# KiCad board jetson-nano-baseboard.kicad_pcb (continued)
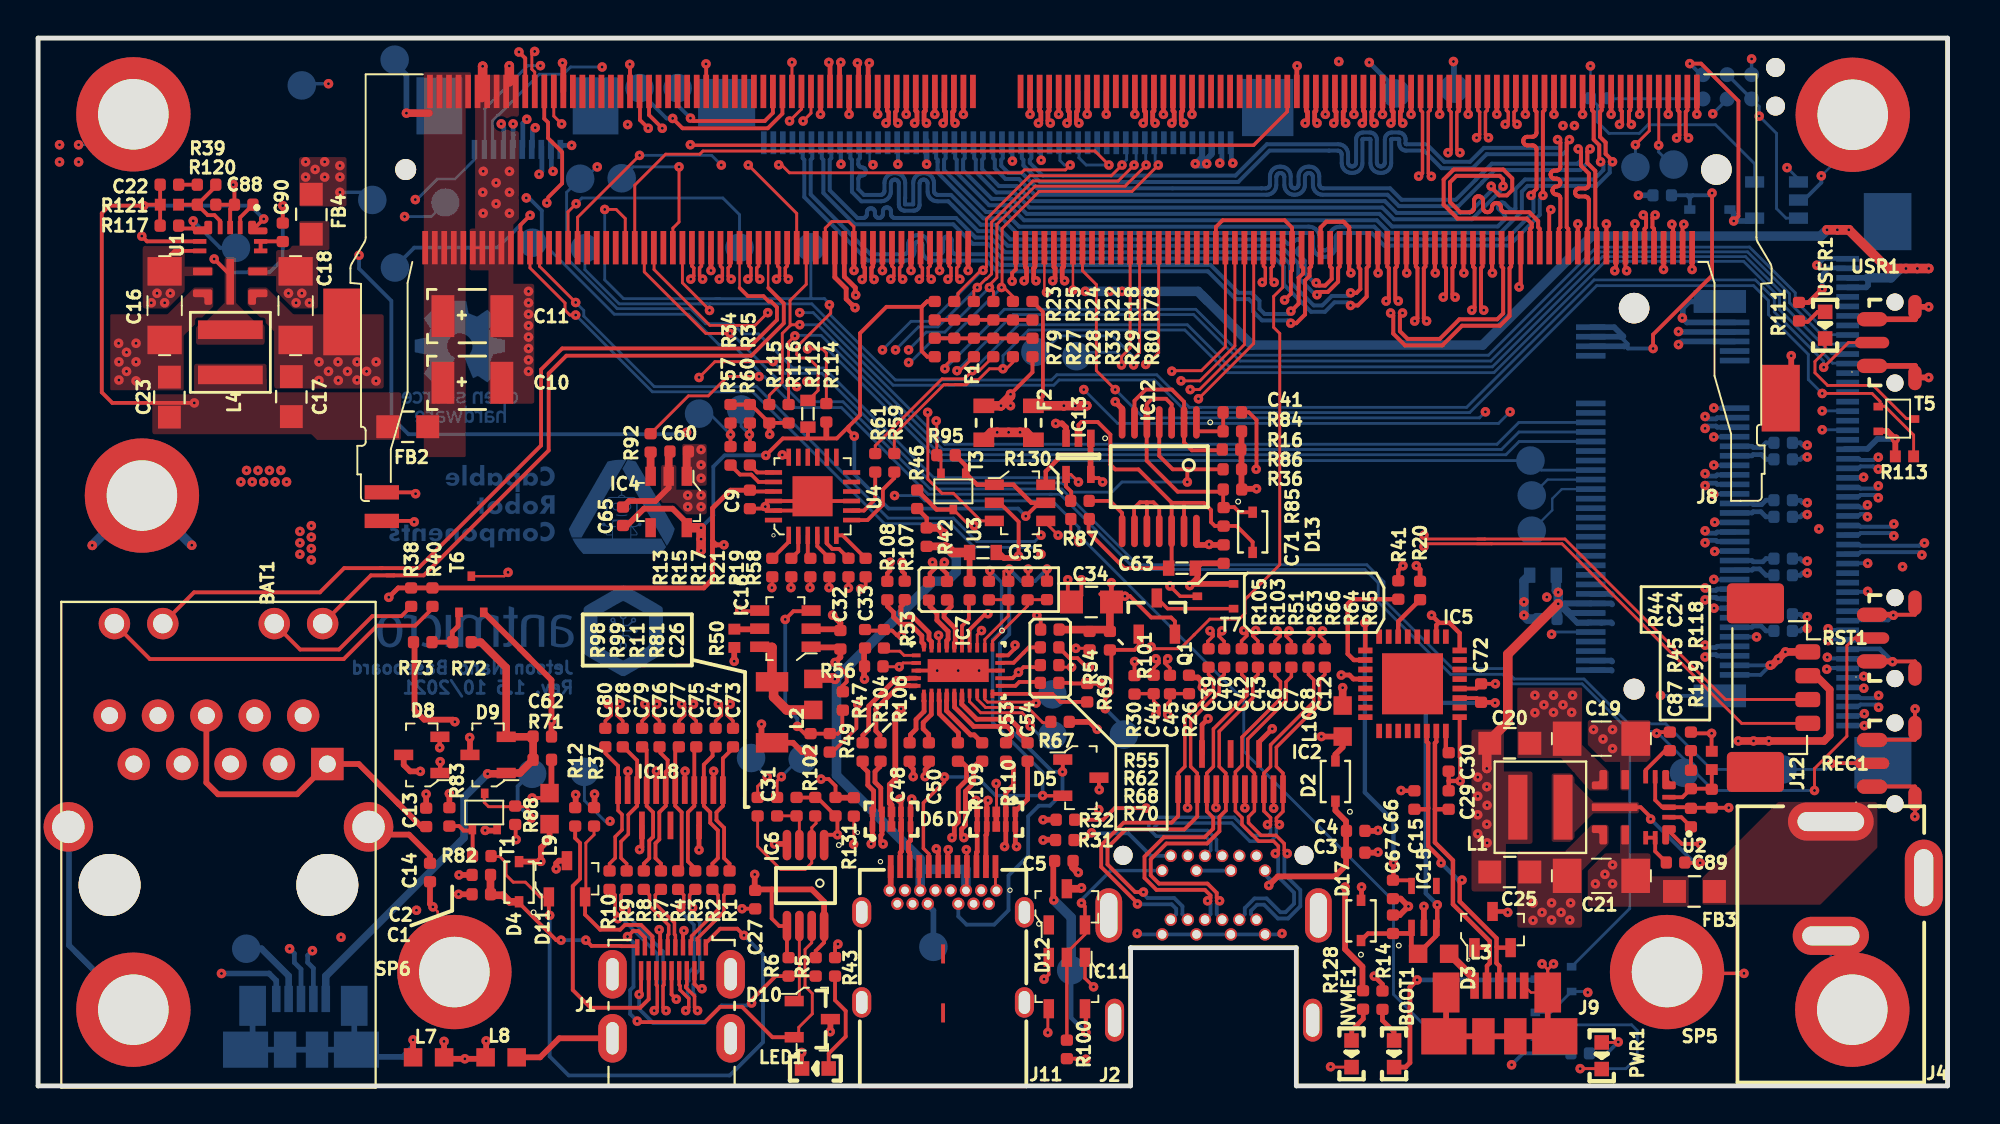
[diagram p0: board, top side]
## Routing (per net, layer and track width the routed paths; a pad name or vN(x,y) marks a point on that pad's centre or on a via; arc(x,y) is an arc through that point) (continued)
/Supply/3V3_EN: length 2
  Top w0.2: U2.7 84.38,16.58 85.4,17.6 R44.1
/Supply/3V3_FB: length 3.5
  Top w0.2: U2.4 86.31,15.15 R45.2 87.82,15.6 R119.1 R118.2
/Supply/3V3_R_C_BOOT: length 2
  Top w0.2: C89.2 84.88,12.31 U2.14 U2.13
/Supply/3V3_SW: length 6.6
  Top w0.2: U2.10 84.12,14.63 84.64,14.11 v1(84.64,14.01) ; C89.1 86.46,11.71 v1(87.24,11.71)
  Bottom w0.2: v1(84.64,14.01) 86.94,11.71 v1(87.24,11.71)
/Supply/3V3_VCC: length 1.4
  Top w0.2: U2.2 86.25,14.1 C87.1
/Supply/3V3_VIN:
  vias: v1(81.64,18.71) v1(81.74,10.61) v1(82.14,18.21) v1(82.24,11.11) v1(82.64,18.71) v1(82.64,17.71) v1(82.64,11.61) v1(82.64,10.61)
/Supply/5V_FB: length 4.3
  Top w0.2: U1.4 9.56,45.41 9.26,45.71 8.91,45.71 R121.1 ; R121.1 R120.2 ; R121.1 9.33,47.23 R39.2
/Supply/5V_R_C_BOOT: length 1.7
  Top w0.2: C90.2 12.83,44.33 U1.14 U1.13
/Supply/5V_SW: length 9.4
  Top w0.2: v1(12.84,46.21) C90.1 ; U1.10 10.08,42.57 v1(9.24,43.41)
  Bottom w0.2: v1(12.84,46.21) 12.84,43.41 12.14,42.71 9.94,42.71 v1(9.24,43.41)
/Supply/5V_VCC: length 1.5
  Top w0.2: C88.1 10.61,45.59 10.61,45.06
/Supply/5V_VIN: length 2.6
  Top w0.2: C16.1 6.64,43.31 7.17,43.83 U1.7
  vias: v1(5.94,41.11) v1(6.24,41.61) v1(6.64,41.11) v1(6.94,41.61) v1(13.14,41.61) v1(13.54,41.11) v1(13.84,41.61) v1(14.24,41.11)
GND: length 412.1
  Top w0.125: v1(20.72,9.4) 20.97,9.15 20.97,7.2 22.2,5.98 ; J9.S 78.36,4.9 J9.5 ; M1.250 M1.248 ; v1(52.93,41.66) 52.82,41.77 M1.138 ; 54.32,41.77 M1.132
  Top w0.15: IC2.8 63.34,14.59 v1(63.34,14.59) ; IC2.2 60.34,14.61 v1(60.34,14.6) ; v1(61.82,14.61) 61.82,15.56 ; D7.3 50.31,14.4 50.31,15.63 ; J11.A12 50.25,10.31 J11.B1 ; IC2.11 64.84,14.58 v1(64.85,14.57) ; v1(78.94,6.41) 79.24,6.11 J9.S 79.24,6.1 v1(79.54,6.41)
  Top w0.152: M1.176 41.32,45.03 41.66,45.37 42.55,45.37 42.82,45.09 42.82,44.7
  Top w0.18: SP5.1 85.57,5.91 v1(89.54,5.91) ; U4.18 39.18,33 v1(39.06,33.12) ; v1(52.8,5.6) 53.05,5.85 IC11.3 ; IC11.1 54.95,5.65 v1(55.4,5.2)
  Top w0.2: 44.32,42.8 44.32,42.8 44.32,44 ; v1(98.52,19.79) 98.52,19.79 REC1.SH1 98.52,18.17 96.27,18.17 96.27,18.26 ; 97.32,22.28 98.52,22.28 RST1.SH2 ; 97.35,24.73 98.52,24.73 RST1.SH1 ; M1.102 61.82,44 61.82,45.09 62.18,45.44 65.43,45.44 65.82,45.05 65.82,42.81 65.76,42.75 65.76,41.58 v1(65.43,41.25) ; v1(51.13,42.24) 51.13,42.67 51.32,42.86 M1.144 ; M1.32 79.32,46.02 79.4,46.1 ; 96.27,15.72 98.52,15.72 98.52,14.15 v1(98.51,14.14) ; v1(41.09,16.1) 41.5,16.1 41.86,15.75 41.86,15.14 ; v1(57.55,22.28) 57.55,22.27 57.55,21.53 ; 38.2,30.45 38.2,30.58 ; 38.2,30.45 38.05,30.3 37.36,30.3 ; 38.2,30.45 38.2,30.46 ; 39.06,33.11 v1(39.06,33.12) ; v1(55.7,15.54) 55.68,15.56 D5.3 ; 63.95,32.37 63.95,34.95 63.55,35.36 63.16,35.36 ; IC18.2 35.44,16.5 v1(35.46,16.52) ; IC18.5 33.94,16.5 v1(33.96,16.52) ; IC18.8 32.44,16.5 v1(32.46,16.52) ; v1(30.96,16.52) 30.94,16.5 IC18.11 ; 31.07,52.2 31.07,53.62 ; IC7.13 IC7.28 ; 35.07,52.2 35.07,53.64 v1(35.06,53.64) ; 54.99,22.02 54.56,22.45 54.14,22.45 53.57,23.02 ; v1(54.05,26.57) 54.05,25.77 54.42,25.4 54.76,25.74 v1(54.76,26.57) ; 60.86,27.18 61.11,27.43 ; C88.2 10.31,47.24 v1(10.24,47.31) ; C88.2 10.08,46.03 U1.3 ; C88.2 R121.2 ; U1.6 5.72,44.33 v1(5.44,44.61) ; v1(76.49,21.11) C72.1 75.49,20.86 IC5.20 ; v1(88.74,14.61) 88.74,14.6 R119.2 86.79,14.6 C87.2 86.7,14.63 U2.3 85.26,14.63 84.88,15 U2.6 ; U4.9 40.9,30.7 U4.25 ; U3.2 50.54,30.61 50.54,30.54 51.47,29.62 v1(51.47,27.81) ; v1(55,1.4) 54.97,1.43 R100.1 ; U4.25 39.9,30.2 U4.23 ; U4.25 40.4,30.7 U4.22 ; C27.1 37.63,9.3 v1(36.95,9.3) ; BAT1.- 19.69,29.66 v1(19.74,29.61) ; IC5.17 74.62,17.25 74.64,17.23 v1(74.64,16.01)
  Top w0.22: 70.32,42.69 70.32,44 ; 73.32,42.69 73.32,44 ; 74.82,42.69 74.82,44 ; 76.32,42.69 M1.44 ; v1(71.84,42.67) 71.82,42.69 M1.62 ; 77.82,44 77.82,42.02 v1(77.74,41.94) ; M1.26 80.82,45.24 v1(80.82,45.25) ; M1.20 82.32,45.24 ; M1.14 83.82,45.24 ; M1.8 85.32,42.86 v1(85.32,42.86) ; v1(86.82,42.86) 86.82,42.86 M1.2 ; v1(68.91,42.67) 68.82,42.76 68.82,45.07 68.53,45.36 67.62,45.36 67.32,45.06 M1.80
  Top w0.23: 73.51,24.31 74.08,24.31 74.62,23.77 IC5.24 ; 73.51,24.31 73.51,24.34 v1(73.14,24.71) ; 73.51,24.31 73.39,24.19 IC5.26 ; D3.3 77.09,9.16 v1(77.14,9.11) ; 74.04,16.01 C29.1 ; 74.04,16.01 v1(74.64,16.01) ; 74.04,16.01 C30.1 ; C15.1 71.56,15.49 v1(71.54,15.51) ; IC13.3 53.96,33.92
  Top w0.25: v1(66.09,53.54) 66.07,53.52 66.07,52.2 ; v1(45.82,42.8) 45.82,44 ; 47.32,42.8 47.32,44 ; 48.82,42.8 48.82,44 ; 60.57,51 60.57,52.2 ; 59.07,51 59.07,52.2 ; 57.57,51 57.57,52.2 ; 56.07,51 M1.125 ; 55.07,51 M1.129 ; 53.57,51 M1.135 ; 52.07,51 M1.141 ; 45.57,51 45.57,52.2 ; 47.07,51 M1.153 ; 48.57,51 48.57,52.2 ; 41.07,51 41.07,52.2 ; 42.57,51 42.57,52.2 ; 44.07,51 44.07,52.2 ; 35.32,42.8 M1.200 ; 87.07,51 M1.1 ; 85.57,51 M1.7 ; 84.07,51 M1.13 ; 82.57,51 M1.19 ; 81.07,51 M1.25 ; 79.57,51 79.57,52.2 ; 78.07,51 78.07,52.2 ; 76.57,51 76.57,52.2 ; 75.07,51 75.07,52.2 ; 73.57,51 73.57,52.2 ; 72.07,51 72.07,52.2 ; 70.57,51 70.57,52.2 ; 67.57,51 67.57,52.2 ; 69.07,51 69.07,52.2 ; 42.82,42.8 42.82,44 ; IC5.4 69.04,21.36 68.83,21.57 v1(68.4,21.57)
  Top w0.3: v1(20.06,16.51) 19.53,16.51 19.19,16.85 D8.3 ; v1(70.33,12.27) 70.3,12.24 69.64,12.24 ; v1(70.33,13.41) 70.3,13.39 69.64,13.39 ; 19.71,23.29 19.76,23.34 19.76,19.73 20.26,19.22 21.78,19.22 21.88,19.13 v1(21.88,19.12) ; D11.3 27.33,11.82 27.2,11.68 v1(27.2,11.39) ; 42.11,23.97 42.14,23.97 42.14,23.85 ; 42.11,23.97 40.32,23.97 ; 42.11,23.97 42.11,24.31 v1(41.7,24.71) ; 42.11,23.97 42.11,23.9 ; v1(29.21,15.32) 29.21,14.63 29.18,14.6 ; 20.37,14.58 v1(20.37,15.32) ; 21.59,14.6 v1(21.59,15.34) ; v1(23.47,13.41) 23.48,13.4 24.07,13.4 ; v1(22.65,18.29) 22.67,18.27 D9.3 ; 26.94,18.34 26.94,19.15 v1(26.95,19.15) 26.95,21.3 25.29,22.96 ; v1(52.75,13.97) 53.44,13.97 ; v1(52.75,12.9) 52.77,12.92 53.44,12.92 ; 91.47,36.1 92.02,36.65 v1(92.02,38.33) ; IC13.3 53.96,34.56 53.74,34.77 v1(53.41,34.77) ; v1(56.54,35.92) 56.9,35.55 IC12.7 56.89,34.83 ; R113.2 v1(97.48,33.96) 97.07,34.38 96.68,34.38 ; v1(99.23,37.19) 98.53,37.19 USR1.SH2 98.52,37.79 USR1.1 ; USR1.3 98.52,40.24 USR1.SH1 98.54,40.89 v1(99.23,40.89) ; 60.86,27.18 60.86,27.18 60.86,26.67 v1(60.45,26.26) 60.54,26.35 T7.2 ; v1(45.29,19.8) 44.99,19.5 44.99,16.1 44.71,15.81 44.71,14.84 44.79,14.75 D6.8 D6.3 ; 43.43,22.94 43.36,22.86 43.36,21.29 ; RST1.1 97.32,22.28 ; RST1.3 97.35,24.73 ; v1(36.54,22.29) 36.54,22.79 ; v1(37.97,18.99) 37.97,18.01 C31.1 39.62,18.01 40.11,17.53 40.54,17.53 ; J11.A1 44.75,10.16 44.69,10.1 ; D7.8 D7.3 ; 27.57,52.2 27.57,53.66 v1(27.53,53.7) ; v1(38.66,12.7) 39.25,12.7 IC6.4 ; D10.3 41.59,2.86 v1(41.58,2.84) ; v1(22.1,11.07) 22.78,11.07 ; v1(22.07,10.06) 22.78,10.06 ; v1(28.22,15.29) 28.22,14.63 28.19,14.6 ; 21.54,1.42 v1(22.4,1.42) 23.16,1.42 ; 21.59,1.22 L7.2 21.31,1.5 v1(21.31,2.34) ; 23.21,1.22 L8.1 23.52,1.53 v1(23.52,2.36) ; 61.11,27.43 62.23,27.43 ; 42.82,15.12 41.87,15.12 41.86,15.14 ; J9.S 79.24,2.97 J9.S J9.S J9.S J9.S 73.91,2.72 J9.S ; 50.41,28 50.7,27.71 51.46,27.71 ; 72.73,8.33 72.74,8.34 v1(72.74,9.42) ; 71.12,8.96 71.47,8.96 v1(71.93,9.42) 71.52,9.83 71.12,9.83 ; T6.2 25.29,22.96 ; 25.29,22.96 25.77,22.48 ; L7.1 19.68,2.41 v1(19.68,2.42) ; IC4.2 33.1,31.4 32.4,30.7 31.02,30.7 C65.2 ; v1(20.72,9.4) 20.57,9.55 C14.2
  Top w0.4: v1(54.77,10.4) 54.72,10.35 D12.3 ; 54.33,11.81 54.33,11.47 v1(54.6,11.2) ; v1(90.92,22.08) 91.01,22.08 v1(91.72,22.78) J12.1
  Top w0.406: IC4.2 33.1,33.24
  Top w0.5: 23.34,53.53 v1(23.33,53.52) 23.33,51.93 23.28,51.88 ; v1(24.73,53.54) 24.73,52.72 24.72,52.7
  In2_SINGAL.Cu w0.3: v1(19.86,9.22) 18.44,7.8 v1(15.9,7.8) 12.45,7.8 10.55,5.9 v1(9.63,5.9)
  In2_SINGAL.Cu w0.4: v1(55.67,14.5) 55.87,14.31 55.87,11.9 56.88,10.88 58.12,10.88 58.44,10.57 60.07,10.57 J2.8
  In4_GND.Cu w0.125: J2.21 57.15,8 v1(57.69,8)
  Bottom w0.125: v1(43.82,48.35) 43.65,48.53 43.65,49.45 ; v1(2.13,49.4) 2.48,49.4 4.08,51 SP3.1 ; SP2.1 94.1,5.13 J4.3 ; 93.6,49.33 SP1.1 95.25,49.42 v1(93.6,47.77)
  Bottom w0.15: SP1.1 95.25,48.59 ; v1(89.54,5.91) 89.44,5.91 89.37,5.98 ; v1(81.34,4.91) 81.29,4.96 T2.2 79.39,3.86 T4.2
  Bottom w0.18: TP30.5 v1(89.94,53.91) ; v1(15.24,52.61) 13.93,52.61 TP17.1
  Bottom w0.2: v1(85.16,20.5) 85.19,20.47 J8.SH1 ; v1(97.38,24.7) 97.11,24.44 94.84,24.44 ; v1(96.03,25.96) 96.01,25.94 94.84,25.94 ; v1(96.03,27.43) 96.03,27.44 94.84,27.44 ; J8.1 90.41,21.58 90.91,22.07 J8.3 ; v1(87.97,25.07) J8.15 ; 87.97,26.58 J8.21 ; v1(87.95,34.06) 87.96,34.08 J8.51 ; 87.97,35.58 J8.57 ; v1(87.96,32.59) 87.97,32.57 J8.45 ; 87.97,31.07 J8.39 ; v1(88,29.59) 88.02,29.57 J8.33 ; 87.95,28.06 87.97,28.07 J8.27 ; J8.9 90.17,23.57 ; J2.8 J2.14 ; 58.89,7.8 59.04,7.95 J2.7 J2.13 J2.19 65.24,7.95 v1(65.29,8) ; v1(57.69,8) 57.74,7.95 J2.1 ; v1(93.6,47.77) 93.6,47.41 92.69,46.5 IC17.2
  Bottom w0.22: 51.14,49.42 51.14,48.55 v1(51.14,48.54) ; 94.84,31.94 95.8,31.94 ; 52.64,48.55 52.64,49.42 ; 42.14,48.54 42.14,48.55 42.14,49.42 ; 45.14,49.42 45.14,48.52 45.13,48.52
  Bottom w0.25: v1(97.34,22.27) 96.67,22.94 94.84,22.94 ; 27.44,49.28 27.53,49.37 v1(28,49.37)
  Bottom w0.3: J5.S J5.S J5.S J5.S 11.26,2.27 J5.S ; J5.S 16.59,2.02 J5.S 16.6,4.2 ; J5.S 17.09,1.52 19.14,1.52 19.68,2.06 v1(19.68,2.42) ; J8.SH2 86.66,41.17 86.33,40.84 86.33,40.34 v1(86.31,40.31) 86.54,40.07 J8.75 ; v1(74.29,53.77) 74.32,53.75 74.32,52.38 ; v1(86.1,38.91) 86.27,39.07 J8.71 ; v1(86.1,39.6) 86.13,39.57 J8.73 ; v1(97.48,33.96) 96.54,33.96 96.02,33.44 94.84,33.44 ; J5.5 12.5,5.53 12.13,5.9 v1(9.63,5.9) ; v1(46.64,48.38) 46.64,48.39 46.64,49.62 ; C36.1 v1(84,46.75)
  Bottom w0.5: v1(8.07,28.38) 8.06,28.38 SP7.1 2.84,28.38 v1(2.84,28.37) ; C47.1 77.99,26.51 v1(77.99,25.41) v1(77.99,24.71) 78.19,24.51 78.76,24.51
  vias: v1(1.13,49.4) v1(1.13,48.5) v1(2.13,48.5) v1(4.22,38.98) v1(4.24,38.01) v1(4.24,37.05) v1(4.64,38.51) v1(4.64,37.51) v1(5.14,38.98) v1(5.14,38.01) v1(5.14,37.01) v1(14.74,38.01) v1(14.74,37.03) v1(15.24,37.51) v1(15.74,38.01) v1(15.76,37.03) v1(16.24,37.51) v1(16.74,38.01) v1(16.74,37.05) v1(17.24,37.51) v1(17.74,38.01) v1(17.74,37.01) v1(23.37,48.01) v1(23.34,46.91) v1(23.36,45.81) v1(24.04,47.41) v1(24.04,46.31) v1(24.74,48.01) v1(24.74,46.91) v1(24.74,45.81) v1(25.74,41.71) v1(25.74,41.11) v1(25.74,40.51) v1(25.74,39.91) v1(25.74,39.31) v1(25.74,38.71) v1(25.74,38.11) v1(25.74,37.51) v1(31.06,53.62) v1(34.1,31) v1(34.1,30.4) v1(34.8,31) v1(34.8,30.4) v1(35.32,42.8) v1(38.17,30.41) v1(41.07,51) v1(42.14,48.38) v1(42.57,51) v1(42.83,42.8) v1(43.38,21.35) v1(44.07,51) v1(44.32,42.8) v1(45.13,48.38) v1(45.57,51) v1(47.07,51) v1(47.19,21.8) v1(47.32,42.8) v1(48.29,21.8) v1(48.57,51) v1(48.82,42.8) v1(49.39,21.8) v1(50.29,15.88) v1(52.07,51) v1(52.65,48.59) v1(53.57,51) v1(54.32,41.77) v1(55.07,51) v1(55.18,21.98) v1(56.07,51) v1(57.57,51) v1(59.07,51) v1(60.57,51) v1(63.94,32.37) v1(67.57,51) v1(69.07,51) v1(70.34,42.67) v1(70.57,51) v1(72.07,51) v1(73.34,42.67) v1(73.57,51) v1(74.84,42.67) v1(75.07,51) v1(76.34,42.67) v1(76.57,51) v1(78.07,51) v1(78.47,9.61) v1(78.47,8.69) v1(78.57,20.51) v1(78.57,19.59) v1(78.94,9.11) v1(79.04,20.01) v1(79.19,25.66) v1(79.4,46) v1(79.44,9.61) v1(79.44,8.71) v1(79.57,51) v1(79.54,20.51) v1(79.54,19.61) v1(79.94,9.11) v1(80.04,20.01) v1(80.44,9.6) v1(80.4,8.71) v1(80.54,20.5) v1(80.5,19.61) v1(81.07,51) v1(82.32,45.25) v1(82.57,51) v1(83.82,45.25) v1(84.07,51) v1(85.57,51) v1(87.07,51) v1(87.96,35.59) v1(87.95,31.06) v1(87.96,26.59) v1(88,28.06) v1(90.2,23.57) v1(91.34,22.41) v1(95.82,31.95)
VDD_MOD: length 4.1
  Top w0.3: v1(19.33,51.06) 19.38,51.1
  Top w0.4: v1(19.33,51.06) 20.52,51.06
  Bottom w0.3: v1(19.33,51.06) 19.33,53.06 18.75,53.64
VIN: length 1.9
  Bottom w0.18: v1(15.84,46.91) 17.14,46.91 TP16.1
  Bottom w0.6: 17.42,46.21 17.45,46.24
  vias: v1(10.64,31.71) v1(10.94,32.31) v1(11.24,31.71) v1(11.54,32.31) v1(11.84,31.71) v1(12.14,32.31) v1(12.44,31.71) v1(12.74,32.31) v1(13.04,31.71) v1(14.04,48.51) v1(14.04,47.71) v1(14.54,48.11) v1(15.04,48.51) v1(15.04,47.71) v1(15.84,48.31) v1(15.84,47.71)
#PWR_BUTTON: length 10.1
  Top w0.2: M1.240 25.32,45.19 v1(25.83,45.7)
  Top w0.3: 25.83,45.6 v1(25.83,45.7)
  Bottom w0.2: v1(25.83,45.7) 24.13,44 19.74,44 18.83,43.09
#RECOVERY: length 77.2
  Top w0.15: 36.19,39.5 35.05,39.5 31.82,42.73 M1.214
  Top w0.2: 96.27,16.94 94.16,16.94 v1(94.13,16.92)
  Bottom w0.15: 86.88,17.56 86.94,17.5 ; 86.94,17.5 85.44,19.01 83.5,19.01 81.15,21.36 77.47,21.36 77.47,21.37 76.94,21.91 74.24,21.91 70.64,25.51 70.64,26.46 69.75,27.36 57.71,27.36 53.73,31.33 46.83,31.33 42.25,35.91 39.98,35.91 36.4,39.5 v1(36.32,39.5) ; 86.94,17.5 87.83,16.61 TP39.1 93.82,16.61 v1(94.13,16.92)
#RESET: length 127.6
  Top w0.15: v1(37.84,37.24) 36.19,37.24 35.18,36.22 34.14,36.22 R92.2 ; RST1.2 95.34,23.51 94.94,23.11 94.94,18.36 93.24,16.66 v1(93.24,15.51)
  Top w0.2: M1.239 25.57,53.94 v1(25.24,54.27) ; v1(84.96,18.51) 85.02,18.57 R44.2
  In2_SINGAL.Cu w0.2: v1(25.24,54.27) 25.26,54.25 25.26,52.85 23.67,51.26 23.67,49.98 25.62,48.02 25.62,46.71
  Bottom w0.15: 26.79,43.96 30.24,40.51 34.14,40.51 35.74,38.91 36.44,38.91 37.74,37.61 ; 26.79,43.96 26.74,44.01 ; 26.79,43.96 26.49,44.26 TP29.1 26.39,44.26 ; 37.74,37.61 37.84,37.5 v1(37.84,37.24) 38.11,37.24 39.74,35.61 42.17,35.61 46.72,31.06 53.09,31.06 ; 37.74,37.61 37.24,38.11 ; 53.09,31.06 53.65,31.06 57.6,27.11 69.64,27.11 70.34,26.41 70.34,25.41 74.14,21.61 76.87,21.61 77.37,21.11 81.04,21.11 83.54,18.61 ; 53.09,31.06 53.23,31.06 ; 83.54,18.61 83.74,18.61 ; 83.54,18.61 83.54,18.51 ; 83.74,18.61 83.64,18.61 83.54,18.51 ; 83.74,18.61 84.86,18.61 v1(84.96,18.51) 85.04,18.51 86.39,17.16 TP37.1 87.01,16.44 87.94,15.51 v1(93.24,15.51) 93.18,15.44 ; T2.1 83.54,9.31 83.54,18.51
  Bottom w0.2: 25.94,44 26.44,44.49 26.44,45.94 25.77,46.61 v1(25.63,46.61)
#SHUTDOWN_REQ: length 69.2
  Top w0.15: v1(38.58,38.02) 38.57,38.02 35.52,38.02 v1(34.69,37.19) ; 27.07,52.2 27.07,50.91 v1(27.48,50.5)
  Top w0.2: 60.32,32.37 62.2,32.37 ; 60.32,32.37 59.55,32.37 58.85,33.07 IC12.4 ; 60.32,32.37 v1(60.32,31.7)
  In2_SINGAL.Cu w0.15: v1(19.24,45.63) 19.28,45.68 19.28,46.77 19.63,47.12 21.05,47.12 23.19,44.97 26.1,44.97 27.82,46.69 27.82,46.83 ; 27.38,50.47 27.38,49.04 27.82,48.6 27.82,47.03 ; 27.97,46.93 28.24,46.93 28.74,46.44 28.74,42.61 31.24,40.11 31.24,38.81 32.86,37.19 v1(34.69,37.19) ; 27.97,46.93 27.92,46.93 ; 27.97,46.93 27.82,46.93 ; 27.82,46.83 27.92,46.93 ; 27.82,46.83 27.82,46.93 ; 27.92,46.93 27.82,47.03 ; 27.82,46.93 27.82,47.03
  Bottom w0.15: v1(60.32,31.7) 56.89,31.7 56.36,31.17 54.25,31.17 53.77,31.65 46.9,31.65 41.14,37.41 39.2,37.41 v1(38.58,38.02) ; 27.48,50.4 v1(27.48,50.5) ; TP28.1 20.64,45.63 v1(19.24,45.63)
/CSI/CAM0_SCL: length 35.5
  Top w0.15: 49.12,41.17 49.12,41.73 v1(49.3,41.91) 49.3,41.91 49.75,42.36 49.79,42.36 50.05,42.62 50.05,45.34 52.22,47.5 56.7,47.5 57.53,48.33 v1(57.53,48.34) ; v1(39.52,26.15) 39.54,26.17 39.54,26.73
  In3_SIGNAL.Cu w0.15: v1(39.52,26.15) 39.52,27.03 40.48,28 40.48,34.11 v1(45.01,38.63)
  Bottom w0.15: v1(49.3,41.91) 47.23,39.84 46.21,39.84 v1(45.01,38.63) ; 57.58,49.67 57.63,49.62 ; 57.63,49.42 57.63,48.47 57.53,48.36
/CSI/CAM0_SDA: length 37.2
  Top w0.15: v1(56.89,48.34) 56.33,47.78 52.06,47.78 49.77,45.5 49.77,42.99 v1(49.6,42.81) 49.49,42.81 48.28,41.61 48.28,41.36 48.09,41.17 ; v1(38.52,26.15) 38.54,26.17 38.54,26.73
  In3_SIGNAL.Cu w0.15: v1(44.32,38.63) 44.32,38.43 40.18,34.29 40.18,28.31 38.52,26.64 v1(38.52,26.15)
  Bottom w0.15: v1(49.6,42.81) 49.56,42.81 46.88,40.13 45.82,40.13 v1(44.32,38.63) ; 56.89,48.36 56.89,48.38 57.14,48.62 57.14,49.62
/CSI/CAM1_SCL: length 36
  Top w0.15: 51.17,41.17 51.17,41.44 50.7,41.91 v1(50.57,41.91) 50.6,41.94 50.6,45.01 52.54,46.95 57.42,46.95 58.8,48.33 v1(58.8,48.34) ; 41.54,26.73 41.54,26.17 v1(41.52,26.15)
  In3_SIGNAL.Cu w0.15: v1(45.69,37.97) 45.36,37.64 44.9,37.64 41.75,34.5 41.75,26.39 v1(41.52,26.15)
  Bottom w0.15: v1(50.57,41.91) 50.57,41.91 47.95,39.29 47.09,39.29 45.78,37.97 v1(45.69,37.97) ; 58.63,49.62 58.63,48.48 58.78,48.33
/CSI/CAM1_SDA: length 35.6
  Top w0.15: 50.14,41.17 50.14,41.7 49.93,41.91 v1(49.93,41.91) 49.93,42.04 50.32,42.43 50.32,45.22 52.33,47.23 57.06,47.23 58.16,48.33 v1(58.16,48.34) ; v1(40.52,26.15) 40.54,26.17 40.54,26.73
  In3_SIGNAL.Cu w0.15: v1(40.52,26.15) 40.52,27.21 41.48,28.17 41.48,34.61 42.66,35.8 42.66,35.81 44.82,37.97 45.03,37.97 v1(45.69,38.63)
  Bottom w0.15: v1(49.93,41.91) 49.93,41.91 47.59,39.57 46.62,39.57 45.69,38.64 v1(45.69,38.63) ; 58.14,49.62 58.14,48.36 58.16,48.34
/CSI/CAM2_SCL: length 69.6
  Top w0.15: v1(47.6,37.64) 47.6,37.79 48.09,38.28
  Top w0.2: v1(43.18,26.09) 43.37,26.09 43.44,26.15 43.44,26.73 43.44,26.73
  In2_SINGAL.Cu w0.15: v1(43.18,26.09) 43.37,26.09
  In3_SIGNAL.Cu w0.15: v1(43.18,26.09) 43.18,32.11 45.59,34.52 45.59,36.19 47.04,37.64 v1(47.6,37.64)
  Bottom w0.15: 94.84,39.43 94.01,39.43 92.23,41.22 92.23,41.63 89.83,44.03 81.81,44.03 81.21,43.43 76.13,38.35 63.17,38.35 60.77,40.76 50.72,40.76 v1(47.6,37.64)
/CSI/CAM2_SDA: length 70.8
  Top w0.15: 49.12,38.28 48.38,37.54 v1(48.23,37.54)
  Top w0.2: v1(42.54,26.13) 42.54,26.73
  In3_SIGNAL.Cu w0.15: v1(48.23,37.54) 48.23,37.95 48.03,38.15 47.14,38.15 45.26,36.27 45.26,34.62 42.87,32.23 42.87,26.97 42.53,26.64 v1(42.53,26.13)
  Bottom w0.15: v1(48.23,37.54) 51.18,40.49 60.65,40.49 63.09,38.05 76.25,38.05 81.98,43.78 89.73,43.78 91.93,41.58 91.93,41.11 94.11,38.94 94.84,38.94
/CSI/CAM3_SCL: length 61.1
  Top w0.15: 50.14,38.28 49.4,37.54 v1(49.04,37.54) 48.62,37.12 47.45,37.12 43.94,33.61 R61.1
  Bottom w0.15: 94.84,38.43 94.15,38.43 91.68,40.9 91.68,41.47 89.62,43.53 82.12,43.53 76.33,37.74 62.53,37.74 60.32,39.95 51.46,39.95 v1(49.04,37.54)
/CSI/CAM3_SDA: length 61
  Top w0.15: 51.17,38.28 51.17,37.99 50.82,37.64 v1(50.64,37.64) 49.93,37.64 49.35,37.06 48.97,37.06 48.72,36.81 48.14,36.81 ; 47.74,36.81 47.54,36.81 44.94,34.21 R59.1 ; 47.74,36.81 47.64,36.81 ; 47.74,36.81 48.14,36.81 ; 48.54,36.81 48.14,36.81
  Bottom w0.15: v1(50.64,37.64) 50.64,38.33 51.99,39.67 60.2,39.67 62.43,37.44 76.42,37.44 82.26,43.28 89.52,43.28 91.41,41.39 91.41,40.74 94,38.15 94,38.13 94.19,37.94 94.84,37.94
/CSI/CAM_I2C_SCL: length 22.9
  Top w0.2: v1(32.76,50.27) 32.07,50.96 32.07,52.2 ; R60.2 37.36,34.16 v1(37.34,34.19) 37.36,34.21 R35.2
  In2_SINGAL.Cu w0.15: v1(37.34,34.19) 36.72,34.81 36.72,37.88 32.97,41.63 32.97,50.06 v1(32.76,50.27)
  Bottom w0.15: v1(37.34,34.19) 36.9,34.62 36.9,35.5
/CSI/CAM_I2C_SDA: length 23.4
  Top w0.2: 31.57,52.2 31.59,52.18 31.59,50.7 v1(32.03,50.27) ; R34.2 v1(36.34,34.19) R57.2
  In2_SINGAL.Cu w0.15: v1(32.03,50.27) 32.59,49.71 32.59,41.5 36.34,37.74 v1(36.34,34.19)
  Bottom w0.15: 34.69,35.5 35.03,35.5 v1(36.34,34.19)
/CSI/CSI_A_CLK_N: length 43.3
  Top w0.21: M1.10 84.82,44.99 84.74,45.07 84.74,45.57 v1(84.88,45.72)
  In3_SIGNAL.Cu w0.138: v1(84.88,45.72) 84.7,45.9 84.7,46.15 85.03,46.48 85.37,46.48 85.37,46.48 85.38,46.47 85.38,46.47 85.38,46.46 85.38,46.31 85.39,46.26 85.41,46.2 85.44,46.15 85.48,46.11 85.53,46.08 85.59,46.06 85.65,46.05 85.92,46.05 85.98,46.06 86.04,46.08 86.09,46.11 86.13,46.15 86.16,46.2 86.18,46.26 86.19,46.31 86.19,47.12 86.19,47.16 86.2,47.18 86.22,47.21 86.24,47.23 86.26,47.25 86.29,47.26 86.32,47.26 86.36,47.26 86.38,47.25 86.41,47.23 86.43,47.21 86.45,47.18 86.46,47.16 86.46,47.12 86.46,46.86 86.47,46.77 86.5,46.7 86.54,46.62 86.6,46.56 86.68,46.52 86.76,46.49 86.84,46.48 87.29,46.48 87.87,45.89 87.87,44.78 87.47,44.38 87.47,42.8 86.9,42.23 86.9,41.72 87.33,41.29 87.73,41.29 87.75,41.31 87.78,41.33 87.81,41.33 87.84,41.33 87.87,41.33 87.9,41.31 87.92,41.29 87.98,41.24 88,41.22 88.03,41.21 88.06,41.2 88.09,41.2 88.12,41.21 88.15,41.22 88.17,41.24 88.19,41.26 88.2,41.29 88.21,41.32 88.21,41.35 88.2,41.38 88.19,41.41 88.17,41.44 88.12,41.49 88.1,41.51 88.08,41.54 88.08,41.57 88.08,41.6 88.08,41.63 88.1,41.66 88.12,41.68 88.31,41.88 88.31,42.13 88.52,42.34 88.58,42.34 88.62,42.33 88.65,42.32 88.69,42.3 88.71,42.27 88.73,42.24 88.75,42.21 88.75,42.17 88.75,41.61 88.76,41.52 88.79,41.44 88.84,41.36 88.9,41.29 88.98,41.25 89.07,41.22 89.16,41.21 89.21,41.21 89.3,41.22 89.38,41.25 89.46,41.29 89.52,41.36 89.57,41.44 89.6,41.52 89.61,41.61 89.61,42.95 89.62,42.99 89.63,43.02 89.65,43.06 89.68,43.08 89.71,43.1 89.74,43.12 89.78,43.12 89.82,43.12 89.85,43.1 89.89,43.08 89.91,43.06 89.93,43.02 89.95,42.99 89.95,42.95 89.95,41.61 89.96,41.52 89.99,41.44 90.04,41.36 90.1,41.29 90.18,41.25 90.27,41.22 90.36,41.21 90.41,41.21 90.5,41.22 90.58,41.25 90.66,41.29 90.72,41.36 90.77,41.44 90.8,41.52 90.81,41.61 90.81,42.88 90.82,42.91 90.83,42.94 90.84,42.97 90.87,42.99 90.89,43.01 90.92,43.02 90.96,43.02 91.01,43.02 91.04,43.02 91.07,43.01 91.1,42.99 91.12,42.97 91.14,42.94 91.15,42.91 91.15,42.88 91.15,41.61 91.16,41.52 91.19,41.44 91.24,41.36 91.3,41.29 91.38,41.25 91.47,41.22 91.56,41.21 91.61,41.21 91.7,41.22 91.78,41.25 91.86,41.29 91.92,41.36 91.97,41.44 92,41.52 92.01,41.61 92.01,42.88 92.02,42.91 92.03,42.94 92.04,42.97 92.07,42.99 92.09,43.01 92.12,43.02 92.16,43.02 92.21,43.02 92.24,43.02 92.27,43.01 92.3,42.99 92.32,42.97 92.34,42.94 92.35,42.91 92.35,42.88 92.35,42.72 92.36,42.64 92.39,42.55 92.43,42.48 92.49,42.42 92.57,42.38 92.65,42.35 92.73,42.34 94.67,42.34 95.48,41.53 95.48,33.11 96.03,32.55 96.29,32.55 96.48,32.37
  Bottom w0.21: 94.84,32.44 95.57,32.44 95.66,32.52 96.33,32.52 96.48,32.37
  vias: v1(96.59,32.37)
/CSI/CSI_A_CLK_P: length 43.3
  Top w0.21: M1.12 84.32,44.99 84.4,45.07 84.4,45.57 v1(84.26,45.72)
  In3_SIGNAL.Cu w0.138: 96.48,33 96.29,32.82 96.14,32.82 95.74,33.22 95.74,41.63 94.77,42.6 92.76,42.6 92.72,42.6 92.69,42.61 92.67,42.63 92.64,42.65 92.63,42.68 92.62,42.71 92.61,42.74 92.61,42.9 92.6,42.98 92.58,43.07 92.53,43.14 92.47,43.2 92.4,43.24 92.32,43.27 92.23,43.28 92.13,43.28 92.05,43.27 91.97,43.24 91.89,43.2 91.83,43.14 91.79,43.07 91.76,42.98 91.75,42.9 91.75,41.64 91.75,41.6 91.73,41.56 91.71,41.53 91.69,41.51 91.65,41.49 91.62,41.47 91.58,41.47 91.54,41.47 91.51,41.49 91.48,41.51 91.45,41.53 91.43,41.56 91.42,41.6 91.41,41.64 91.41,42.9 91.4,42.98 91.38,43.07 91.33,43.14 91.27,43.2 91.2,43.24 91.12,43.27 91.03,43.28 90.93,43.28 90.85,43.27 90.77,43.24 90.69,43.2 90.63,43.14 90.59,43.07 90.56,42.98 90.55,42.9 90.55,41.64 90.55,41.6 90.53,41.56 90.51,41.53 90.49,41.51 90.45,41.49 90.42,41.47 90.38,41.47 90.34,41.47 90.31,41.49 90.28,41.51 90.25,41.53 90.23,41.56 90.22,41.6 90.21,41.64 90.21,42.98 90.2,43.07 90.17,43.15 90.12,43.23 90.06,43.29 89.98,43.34 89.9,43.37 89.81,43.38 89.76,43.38 89.67,43.37 89.58,43.34 89.5,43.29 89.44,43.23 89.39,43.15 89.36,43.07 89.35,42.98 89.35,41.64 89.35,41.6 89.33,41.56 89.31,41.53 89.29,41.51 89.25,41.49 89.22,41.47 89.18,41.47 89.14,41.47 89.11,41.49 89.08,41.51 89.05,41.53 89.03,41.56 89.02,41.6 89.01,41.64 89.01,42.19 89,42.28 88.97,42.37 88.92,42.45 88.86,42.51 88.78,42.56 88.7,42.59 88.61,42.6 88.41,42.6 88.05,42.24 88.05,41.99 87.62,41.56 87.44,41.56 87.16,41.83 87.16,42.12 87.73,42.69 87.73,44.27 88.14,44.68 88.14,46 87.39,46.74 86.86,46.74 86.83,46.75 86.8,46.76 86.78,46.77 86.76,46.8 86.74,46.82 86.73,46.85 86.73,46.88 86.73,47.15 86.72,47.23 86.69,47.31 86.64,47.38 86.58,47.44 86.51,47.49 86.43,47.52 86.35,47.53 86.3,47.53 86.22,47.52 86.14,47.49 86.07,47.44 86.01,47.38 85.96,47.31 85.93,47.23 85.92,47.15 85.92,46.33 85.92,46.32 85.92,46.32 85.91,46.31 85.91,46.31 85.67,46.31 85.66,46.31 85.65,46.32 85.65,46.33 85.65,46.33 85.65,46.48 85.64,46.54 85.62,46.59 85.59,46.64 85.55,46.69 85.5,46.72 85.44,46.74 85.38,46.74 84.92,46.74 84.44,46.26 84.44,45.9 v1(84.26,45.72)
  Bottom w0.21: 94.84,32.94 95.57,32.94 95.66,32.85 96.33,32.85 96.48,33
  vias: v1(96.59,33)
/CSI/CSI_A_D0_N: length 43.5
  Top w0.21: M1.4 86.32,45.16 v1(86.38,45.23)
  In3_SIGNAL.Cu w0.138: v1(96.59,30.87) 96.41,31.05 95.5,31.05 94.84,31.71 94.84,37.71 94.83,37.73 94.83,37.75 94.82,37.77 94.8,37.79 94.78,37.8 94.76,37.8 94.74,37.81 94.59,37.81 94.52,37.81 94.45,37.84 94.38,37.88 94.33,37.93 94.29,38 94.27,38.07 94.26,38.14 94.26,38.33 94.27,38.41 94.29,38.48 94.33,38.54 94.38,38.6 94.45,38.64 94.52,38.66 94.59,38.67 94.74,38.67 94.76,38.67 94.78,38.68 94.8,38.69 94.82,38.7 94.83,38.72 94.83,38.74 94.84,38.76 94.84,39.52 94.25,40.11 94.14,40.11 94.06,40.12 93.98,40.14 93.91,40.19 93.85,40.25 93.8,40.32 93.78,40.4 93.77,40.48 93.77,41 93.76,41.03 93.75,41.06 93.74,41.09 93.71,41.11 93.69,41.12 93.66,41.14 93.63,41.14 93.6,41.14 93.57,41.12 93.54,41.11 93.52,41.09 93.5,41.06 93.49,41.03 93.49,41 93.49,39.35 93.48,39.27 93.45,39.19 93.41,39.12 93.35,39.06 93.28,39.01 93.2,38.98 93.11,38.98 93.07,38.98 92.98,38.98 92.9,39.01 92.83,39.06 92.77,39.12 92.73,39.19 92.7,39.27 92.69,39.35 92.69,41.1 92.69,41.13 92.67,41.16 92.66,41.19 92.64,41.21 92.61,41.22 92.58,41.24 92.55,41.24 92.52,41.24 92.49,41.22 92.46,41.21 92.44,41.19 92.43,41.16 92.42,41.13 92.41,41.1 92.41,39.35 92.4,39.27 92.38,39.19 92.33,39.12 92.27,39.06 92.2,39.01 92.12,38.98 92.03,38.98 91.99,38.98 91.9,38.98 91.82,39.01 91.75,39.06 91.69,39.12 91.65,39.19 91.62,39.27 91.61,39.35 91.61,40.59 91.61,40.62 91.6,40.64 91.59,40.65 91.58,40.67 91.56,40.68 91.54,40.69 91.52,40.69 91.43,40.69 91.41,40.69 91.39,40.68 91.37,40.67 91.36,40.65 91.34,40.64 91.34,40.62 91.33,40.59 91.33,39.35 91.33,39.27 91.3,39.19 91.25,39.12 91.19,39.06 91.12,39.01 91.04,38.98 90.96,38.98 90.91,38.98 90.83,38.98 90.75,39.01 90.67,39.06 90.62,39.12 90.57,39.19 90.54,39.27 90.53,39.35 90.53,40.59 90.53,40.62 90.52,40.64 90.51,40.65 90.5,40.67 90.48,40.68 90.46,40.69 90.44,40.69 90.35,40.69 90.33,40.69 90.31,40.68 90.29,40.67 90.28,40.65 90.27,40.64 90.26,40.62 90.26,40.59 90.26,39.35 90.25,39.27 90.22,39.19 90.17,39.12 90.11,39.06 90.04,39.01 89.96,38.98 89.88,38.98 89.83,38.98 89.75,38.98 89.67,39.01 89.6,39.06 89.54,39.12 89.49,39.19 89.46,39.27 89.45,39.35 89.45,39.97 89.45,40 89.44,40.03 89.42,40.06 89.4,40.08 89.38,40.09 89.35,40.1 89.32,40.11 88.84,40.11 88.81,40.1 88.78,40.09 88.75,40.07 88.72,40.05 88.71,40.02 88.69,39.99 88.69,39.96 88.69,39.92 88.69,39.89 88.68,39.85 88.66,39.83 88.63,39.8 88.61,39.78 88.57,39.77 88.54,39.77 88.51,39.77 88.48,39.78 88.45,39.8 88.42,39.83 88.41,39.85 88.39,39.89 88.39,39.92 88.39,39.96 88.39,39.99 88.38,40.02 88.36,40.05 88.33,40.07 88.31,40.09 88.27,40.1 88.24,40.11 87.31,40.11 85.92,41.5 85.92,43.57 87.15,44.81 87.15,45.36 86.93,45.59 86.27,45.59 86.2,45.52 86.2,45.41 v1(86.38,45.23)